# KiCad board FlightComputer.kicad_pcb (continued)
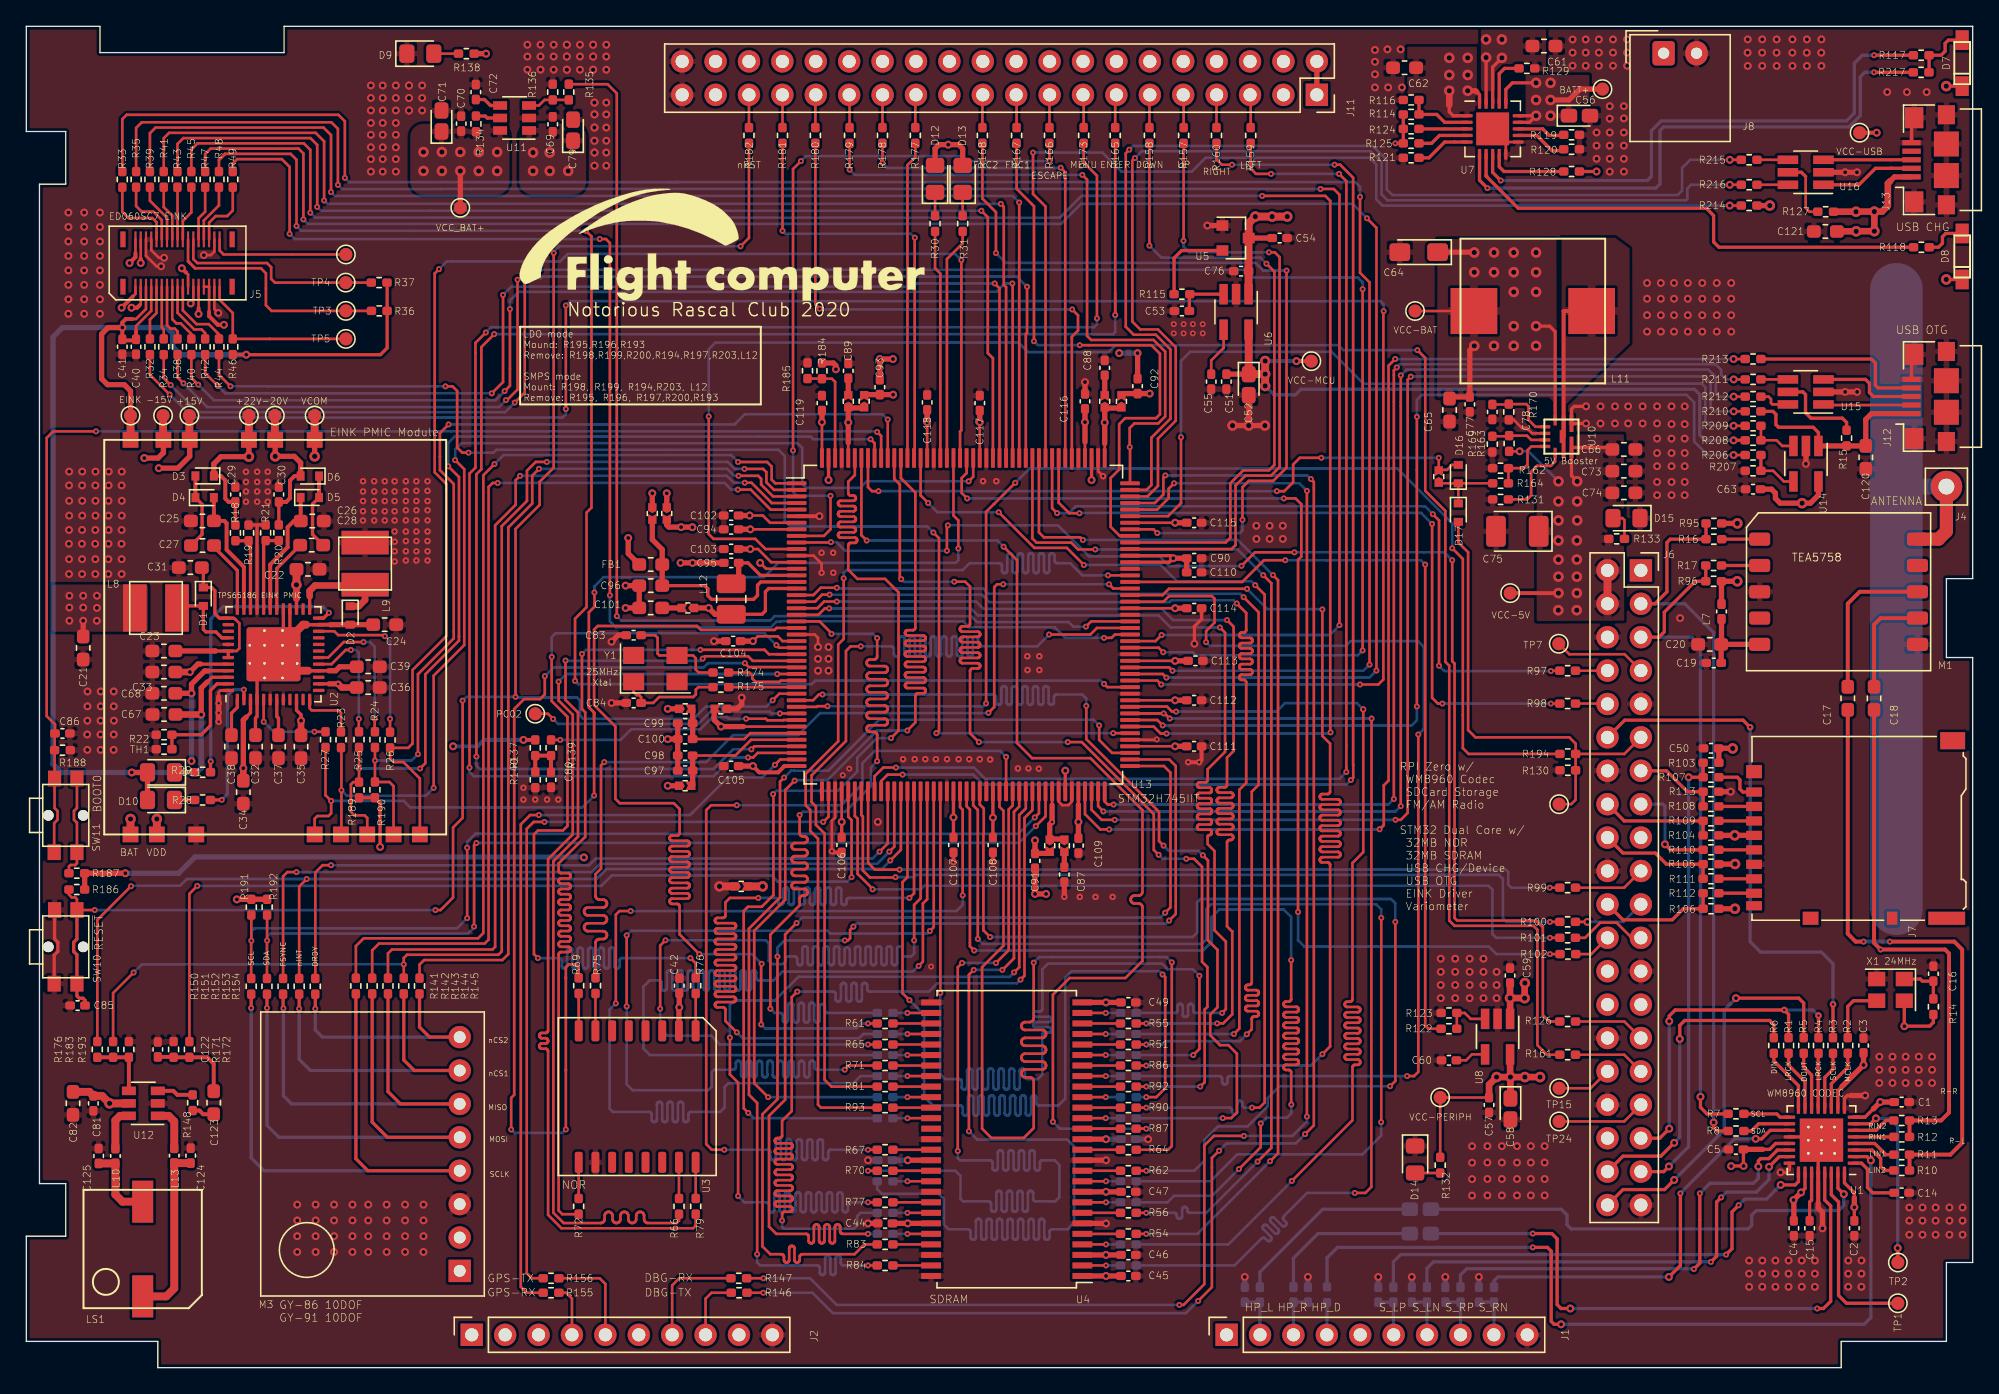
[diagram p0: board, top side]
## Routing (per net, layer and track width the routed paths; a pad name or vN(x,y) marks a point on that pad's centre or on a via; arc(x,y) is an arc through that point) (continued)
Net-(J5-Pad34): length 10.6
  Top w0.2: J5.34 14.7,84.95 15,84.65 TP6.1
Net-(J6-Pad7): length 7.1
  Top w0.2: TP7.1 117.33,54.25 121.53,54.25 J6.7
Net-(J6-Pad8): length 2.4
  Top w0.2: J6.8 120.22,53 R97.2
Net-(J6-Pad10): length 2.4
  Top w0.2: J6.10 120.2,50.5 R98.2
Net-(J6-Pad19): length 5.5
  Top w0.2: R99.1 121.5,36.5 J6.19
Net-(J6-Pad21): length 5.5
  Top w0.2: R100.1 v2(118.7,33.9)
  Bottom w0.2: J6.21 121.44,33.9 v2(118.7,33.9)
Net-(J6-Pad23): length 5.9
  Top w0.2: R101.1 118.53,32.69 119.68,33.84 120.92,33.84 122.07,32.69 J6.23
Net-(J6-Pad24): length 2.9
  Top w0.2: R102.2 118.99,31.45 J6.24 120.22,32.7
Net-(J6-Pad29): length 5.5
  Top w0.2: R126.1 121.52,26.33 J6.29
Net-(J6-Pad31): length 5.5
  Top w0.2: R161.1 121.5,23.8 J6.31
Net-(J6-Pad32): length 4.2
  Top w0.2: J6.32 118.95,21.25 TP15.1
Net-(J6-Pad33): length 6.7
  Top w0.2: TP24.1 121.5,18.72 J6.33
Net-(J7-Pad1): length 3.6
  Top w0.25: J7.1 130.53,43.77 130.3,44 130.3,44.7 130.1,44.9 R107.1
Net-(J7-Pad2): length 2.7
  Top w0.25: J7.2 131.37,42.68 R108.1 ; 128.61,42.67 128.59,42.7
Net-(J7-Pad3): length 2.7
  Top w0.25: R109.1 131.37,41.58 J7.3
Net-(J7-Pad5): length 2.7
  Top w0.25: R110.1 131.37,39.38 J7.5
Net-(J7-Pad7): length 2.7
  Top w0.25: R111.1 131.37,37.18 J7.7
Net-(J7-Pad8): length 2.7
  Top w0.25: R112.1 131.37,36.08 J7.8
Net-(J11-Pad25): length 2.5
  Top w0.2: J11.25 67.6,96.74 R177.2
Net-(J11-Pad27): length 2.5
  Top w0.2: J11.27 65.1,96.78 R178.2
Net-(J11-Pad29): length 2.5
  Top w0.2: J11.29 62.6,96.76 R179.2
Net-(J11-Pad31): length 2.5
  Top w0.2: J11.31 60,96.76 R180.2
Net-(J11-Pad33): length 2.5
  Top w0.2: J11.33 57.5,96.78 R181.2
Net-(J11-Pad35): length 2.5
  Top w0.2: R182.2 J11.35
Net-(J12-Pad2): length 6.7
  Top w0.2: J12.2 136.7,73.2 U15.1
Net-(J12-Pad3): length 7.6
  Top w0.25: U15.3 139.85,75.15 140.15,74.85 140.15,74.15 140.45,73.85 J12.3
Net-(J12-Pad4): length 13.4
  Top w0.25: J12.4 140.8,74.5 140.6,74.7 140.6,76.4 140.3,76.7 R213.2
Net-(J13-Pad2): length 7.4
  Top w0.25: 141.9,91.2 140.6,91.2 139.35,89.95 U16.1 ; 141.9,91.2 141.7,91.2 ; 141.9,91.2 J13.2
Net-(J13-Pad3): length 6.7
  Top w0.25: J13.3 U16.3
Net-(L3-Pad1): length 38.2
  Top w0.25: v2(133.4,13.9) 134.5,13.9 134.75,14.15 U1.25 ; v1(129.25,8.6) 129.7,9.05 129.7,11.85 v1(130.2,12.35)
  Bottom w0.25: v1(129.25,8.6) 104.5,8.6 103.95,8.05 L3.1 ; 133,13.5 v2(133.4,13.9) 132.32,12.83 130.68,12.83 v1(130.2,12.35) ; 103.92,6.17 103.95,6.14
Net-(L4-Pad1): length 35.5
  Top w0.25: v1(128.88,12.95) 128.53,12.6 128.53,8.47 v1(128.1,8.05) ; v2(132.51,15.28) 133.29,16.05 U1.23
  Bottom w0.25: L4.1 106.5,7.55 107,8.05 v1(128.1,8.05) ; v2(132.51,15.28) 132.51,14.31 131.55,13.35 129.28,13.35 v1(128.88,12.95)
Net-(L5-Pad1): length 33.8
  Top w0.25: 126.77,7.53 v1(126.8,7.5) 127.25,7.95 v1(127.25,13.25) ; U1.22 133.15,16.55 132.5,15.9 131.88,15.9 131.7,15.72 v2(131.7,15.3)
  Bottom w0.25: v2(131.7,15.3) 131.7,14.4 131.32,14.03 128.03,14.03 v1(127.25,13.25) ; L5.1 109.05,7.05 109.53,7.53 126.77,7.53 v1(126.8,7.5)
Net-(L6-Pad1): length 31.1
  Top w0.25: U1.19 132.6,18.05 131.95,17.4 v2(131.5,17.4) ; v2(124.9,6.9) 125.78,7.78 v1(125.78,13.25)
  Bottom w0.25: 125.99,13.49 125.88,13.38 ; 125.99,13.49 125.99,13.46 v1(125.78,13.25) ; 125.99,13.49 129.9,17.4 v2(131.5,17.4) ; v2(124.9,6.9) 111.9,6.9 111.6,6.6 L6.1
Net-(L10-Pad1): length 3.3
  Top w0.6: L10.1 6.78,18.81 7.12,19.15 U12.6
Net-(L13-Pad1): length 3.5
  Top w0.6: U12.1 10.83,19.15 11.25,18.73 L13.1
Net-(M1-Pad1): length 2.9
  Top w0.25: R16.1 M1.1
Net-(M1-Pad2): length 2.9
  Top w0.25: R17.1 M1.2
Net-(M3-Pad4): length 49.5
  Top w0.25: R141.1 25.06,15.89 25.97,14.98 M3.4 ; R150.1 v1(17.1,27.35)
  Bottom w0.25: v1(17.1,27.35) 17.1,15.95 18.07,14.98 M3.4
Net-(M3-Pad5): length 41.9
  Top w0.25: R142.1 26.3,18.67 27.45,17.52 M3.5 ; R151.1 v1(18.3,27.35)
  Bottom w0.25: M3.5 19.2,17.52 18.3,18.42 v1(18.3,27.35)
Net-(M3-Pad6): length 34.7
  Top w0.25: v1(19.55,27.33) 19.52,27.35 R152.1 ; M3.6 28.44,20.06 27.5,21 R143.1
  Bottom w0.25: v1(19.55,27.33) 19.55,20.67 20.16,20.06 M3.6
Net-(M3-Pad7): length 27.1
  Top w0.25: M3.7 29.5,22.6 28.7,23.4 R144.1 ; R153.1 v1(20.75,27.3)
  Bottom w0.25: v1(20.75,27.3) 20.75,23.45 21.6,22.6 M3.7
Net-(M3-Pad8): length 19.8
  Top w0.25: R154.1 v1(21.98,27.3) ; R145.1 29.9,25.9 30.66,25.14 M3.8
  Bottom w0.25: v1(21.98,27.3) 21.98,25.67 22.51,25.14 M3.8
Net-(R1-Pad1): length 4.7
  Top w0.25: U1.15 135.25,21.75 134,23 R1.1
Net-(R2-Pad1): length 4.7
  Top w0.25: R2.1 138.5,22.84 137.25,21.59 U1.11
Net-(R3-Pad1): length 4.4
  Top w0.25: R3.1 137.38,22.69 136.75,22.07 U1.12
Net-(R4-Pad1): length 4.2
  Top w0.25: 136.25,23.99 136.28,24.02 ; R4.1 136.25,23.88 U1.13
Net-(R5-Pad1): length 4.4
  Top w0.25: R5.1 135.15,22.85 135.75,22.25 U1.14
Net-(R6-Pad1): length 4.9
  Top w0.25: R6.1 132.88,23.33 134.75,21.45 U1.16
Net-(R7-Pad1): length 3.7
  Top w0.25: 130.49,19.3 133.1,19.3 133.35,19.05 U1.17
Net-(R8-Pad1): length 3.7
  Top w0.25: R8.1 131.17,18 131.72,18.55 U1.18
Net-(R9-Pad1): length 63.6
  Top w0.25: 115.95,8.29 115.95,8.86 115.66,9.15 v1(114.55,9.15) ; 115.95,8.29 115.95,8.85 ; 115.95,8.29 115.95,3.53 116.17,3.3 v2(116.7,3.3) ; v2(140.26,15.76) 139.97,16.05 U1.2
  Bottom w0.25: R9.1 98.9,8.35 99.7,9.15 v1(114.55,9.15) ; 98.84,6.14 98.85,6.14 ; v2(116.7,3.3) 139.75,3.3 140.26,3.81 v2(140.26,15.76)
Net-(R10-Pad1): length 4.1
  Top w0.25: U1.3 140.35,16.55 141,15.9 141,15.3 141.3,15 R10.1
Net-(R11-Pad1): length 3.4
  Top w0.25: R11.1 141.4,16.2 140.55,17.05 U1.4
Net-(R12-Pad1): length 3.1
  Top w0.25: 142.06,17.55 142.12,17.5 ; U1.5 R12.1
Net-(R13-Pad1): length 3.4
  Top w0.25: U1.6 140.65,18.05 141.4,18.8 R13.1
Net-(R15-Pad2): length 6.8
  Top w0.25: R15.2 138.41,71.88 138.09,72.2 135.7,72.2 135.29,72.61 135.29,74 135.09,74.2 U15.5
Net-(R18-Pad2): length 6.3
  Top w0.25: R18.2 R19.2 17.05,62.74 U2.34 ; 15.93,62.88 15.92,62.87
Net-(R20-Pad1): length 6.3
  Top w0.25: R20.1 R21.1 18.05,62.74 U2.32
Net-(R22-Pad2): length 8.6
  Top w0.25: TH1.1 R22.2 13.3,48.13 14,48.83 14,51.5 14.5,52 U2.47
Net-(R23-Pad2): length 5.1
  Top w0.2: R23.2 23.93,49.79 23.74,49.98 21.71,49.98 21.55,50.14 U2.12
  Top w0.25: U2.12 21.55,50.35
Net-(R24-Pad2): length 11.4
  Top w0.2: v1(25.64,55.18) 24.14,55.18 22.96,54 U2.18 ; v1(26.49,49.35) 26.49,48.38 R24.2
  Bottom w0.2: v1(25.64,55.18) 26.14,55.18 26.49,54.83 v1(26.49,49.35)
Net-(R25-Pad2): length 9.6
  Top w0.2: v1(24.68,54.58) 24.29,54.58 23.21,53.5 U2.17 ; R25.2 25.28,48.38 v1(25.28,49.33)
  Bottom w0.2: v1(25.28,49.33) 25.28,54.36 25.06,54.58 v1(24.68,54.58)
Net-(R26-Pad2): length 12.6
  Top w0.2: U2.22 23.42,56 23.71,55.71 27.18,55.71 v1(27.27,55.62) ; R26.2 v1(27.66,49.34)
  Bottom w0.2: v1(27.27,55.62) 27.66,55.23 v1(27.66,49.34)
Net-(R27-Pad2): length 6.7
  Top w0.2: v1(18.05,49.12) 18.05,49.12 U2.5 ; v1(21.91,48.36) 22.75,48.36 R27.2
  Bottom w0.2: v1(18.05,49.12) 18.81,48.36 v1(21.91,48.36)
Net-(R28-Pad1): length 11.7
  Top w0.25: v1(14.86,43.18) 14.85,43.17 R28.1 ; v1(16.54,51.56) 16.55,51.55 U2.2
  Bottom w0.25: 15.29,45.27 15.29,44.69 ; 15.29,45.27 15.29,51.08 15.77,51.56 v1(16.54,51.56) ; 15.29,45.27 15.29,43.61 v1(14.86,43.18)
Net-(R29-Pad1): length 22.2
  Top w0.25: v1(14.02,46.1) 14.01,46.09 R29.1 ; v1(23.01,57.41) 22.6,57 U2.24
  Bottom w0.25: v1(23.01,57.41) 22.55,57.87 14.97,57.87 14.02,56.92 v1(14.02,46.1)
Net-(R50-Pad2): length 2.9
  Top w0.2: U4.2 v1(82.1,7.78)
  Bottom w0.2: R50.2 v1(82.1,7.78)
Net-(R51-Pad1): length 2.9
  Top w0.2: R51.1 U4.23
Net-(R52-Pad2): length 2.9
  Top w0.2: U4.4 v1(82.1,9.38)
  Bottom w0.2: R52.2 v1(82.1,9.38)
Net-(R53-Pad1): length 2.9
  Top w0.2: U4.24 v1(82.08,25.38)
  Bottom w0.2: R53.1 v1(82.08,25.38)
Net-(R54-Pad2): length 2.9
  Top w0.2: R54.2 U4.5
Net-(R55-Pad1): length 2.9
  Top w0.2: R55.1 U4.25
Net-(R56-Pad2): length 2.9
  Top w0.2: R56.2 U4.7
Net-(R57-Pad1): length 3
  Top w0.2: v1(82.08,26.97) 82.1,26.97 U4.26
  Bottom w0.2: R57.1 v1(82.08,26.97)
Net-(R58-Pad2): length 2.9
  Top w0.2: U4.8 v1(82.1,12.58)
  Bottom w0.2: R58.2 v1(82.1,12.58)
Net-(R59-Pad1): length 2.9
  Top w0.2: U4.29 v1(67,26.97)
  Bottom w0.2: R59.1 v1(67,26.97)
Net-(R60-Pad2): length 2.9
  Top w0.2: U4.10 v1(82.1,14.17)
  Bottom w0.2: R60.2 v1(82.1,14.17)
Net-(R61-Pad1): length 2.9
  Top w0.2: R61.1 U4.30
Net-(R62-Pad2): length 2.9
  Top w0.2: R62.2 U4.11
Net-(R63-Pad1): length 2.9
  Top w0.2: U4.31 v1(67,25.38)
  Bottom w0.2: R63.1 v1(67,25.38)
Net-(R64-Pad2): length 2.9
  Top w0.2: R64.2 U4.13
Net-(R65-Pad1): length 2.9
  Top w0.2: R65.1 U4.32
Net-(R66-Pad1): length 2.8
  Top w0.2: 49.63,15.61 U3.15 49.62,12.87 R66.1
Net-(R67-Pad2): length 2.9
  Top w0.2: R67.2 U4.42
Net-(R68-Pad1): length 2.9
  Top w0.2: U4.33 v1(67,23.78)
  Bottom w0.2: R68.1 v1(67,23.78)
Net-(R69-Pad1): length 2.8
  Top w0.2: 42.01,25.62 U3.8 42,25.62 R69.1
Net-(R70-Pad2): length 2.9
  Top w0.2: R70.2 U4.44
Net-(R71-Pad1): length 2.9
  Top w0.2: R71.1 U4.34
Net-(R72-Pad1): length 2.7
  Top w0.2: U3.9 42,15.61 R72.1
Net-(R73-Pad2): length 2.9
  Top w0.2: U4.45 v1(67,14.17)
  Bottom w0.2: R73.2 v1(67,14.17)
Net-(R74-Pad1): length 2.9
  Top w0.2: U4.22 v1(82.08,23.78)
  Bottom w0.2: R74.1 v1(82.08,23.78)
Net-(R75-Pad2): length 2.9
  Top w0.2: R75.2 43.27,28.45 U3.7 43.28,25.62
Net-(R76-Pad1): length 2.8
  Top w0.2: R76.1 50.9,25.62 U3.1
Net-(R77-Pad2): length 2.9
  Top w0.2: R77.2 U4.47
Net-(R78-Pad1): length 2.9
  Top w0.2: U4.35 v1(67,22.17)
  Bottom w0.2: R78.1 v1(67,22.17)
Net-(R79-Pad2): length 2.8
  Top w0.2: R79.2 50.9,15.61 U3.16 ; 50.9,12.64 50.9,12.64
Net-(R80-Pad2): length 2.9
  Top w0.2: U4.48 v1(67,11.78)
  Bottom w0.2: R80.2 v1(67,11.78)
Net-(R81-Pad1): length 2.9
  Top w0.2: U4.36 R81.1
Net-(R82-Pad2): length 2.9
  Top w0.2: U4.50 v1(67,10.17)
  Bottom w0.2: R82.2 v1(67,10.17)
Net-(R83-Pad2): length 2.9
  Top w0.2: R83.2 U4.51
Net-(R84-Pad2): length 2.9
  Top w0.2: R84.2 U4.53
Net-(R85-Pad1): length 2.9
  Top w0.2: U4.20 v1(82.08,22.17)
  Bottom w0.2: R85.1 v1(82.08,22.17)
Net-(R86-Pad1): length 2.9
  Top w0.2: R86.1 U4.21
Net-(R87-Pad1): length 2.9
  Top w0.2: R87.1 U4.15
Net-(R88-Pad1): length 2.9
  Top w0.2: U4.39 v1(67,18.97)
  Bottom w0.2: R88.1 v1(67,18.97)
Net-(R89-Pad1): length 2.9
  Top w0.2: U4.16 v1(82.08,18.97)
  Bottom w0.2: R89.1 v1(82.08,18.97)
Net-(R90-Pad1): length 2.9
  Top w0.2: R90.1 U4.17
Net-(R91-Pad1): length 2.9
  Top w0.2: U4.18 v1(82.08,20.58)
  Bottom w0.2: R91.1 v1(82.08,20.58)
Net-(R92-Pad1): length 2.9
  Top w0.2: R92.1 U4.19
Net-(R93-Pad1): length 2.9
  Top w0.2: U4.38 R93.1
Net-(R94-Pad1): length 2.9
  Top w0.2: U4.37 v1(67,20.58)
  Bottom w0.2: R94.1 v1(67,20.58)
Net-(R114-Pad2): length 5
  Top w0.25: U7.2 107.85,94.7 107.25,95.3 R114.2 R116.1
Net-(R115-Pad2): length 6.7
  Top w0.25: R115.2 87.27,84.36 87.27,84.36 87.85,84.95 U5.2
Net-(R117-Pad2): length 41.8
  Top w0.25: v1(140.5,99.8) R117.2 ; v1(112.11,90.27) 111.5,90.89 U7.8
  Bottom w0.25: v1(112.11,90.27) 123.26,90.27 123.57,90.58 123.57,94.05 124.31,94.8 138.4,94.8 139,95.4 139,99.2 139.6,99.8 v1(140.5,99.8)
Net-(R118-Pad2): length 37.6
  Top w0.25: 111,90.67 111,90.61 113.45,88.16 127.75,88.16 128.3,87.61 128.3,85.6 128.7,85.2 R118.2 ; 111,90.67 111.05,90.62 ; 111,90.67 U7.7
Net-(R119-Pad2): length 3.7
  Top w0.25: 116.9,93.7 115.8,93.7 115.3,94.2 U7.13
Net-(R120-Pad2): length 3.9
  Top w0.25: 116.9,92.55 116,92.55 114.85,93.7 U7.12
Net-(R121-Pad2): length 4.2
  Top w0.25: U7.5 107.85,93.2 106.65,92 R121.2
Net-(R122-Pad1): length 3.5
  Top w0.2: R122.1 R123.2 109.38,26.97 109.83,26.53 U8.3
Net-(R124-Pad1): length 3.7
  Top w0.25: U7.3 R124.1
Net-(R125-Pad1): length 3.9
  Top w0.25: R125.1 106.85,93.1 107.45,93.7 U7.4
Net-(R127-Pad2): length 4.9
  Top w0.2: 135.3,90.58 135.3,88.19 135.59,87.9 R127.2
  Top w0.25: U16.5 134.98,90.9 135.3,90.58
Net-(R128-Pad1): length 6
  Top w0.25: R128.1 112.36,90.96 112,91.32 U7.9
Net-(R129-Pad1): length 3.9
  Top w0.25: R129.1 112.4,98.8 112,98.4 U7.17
Net-(R131-Pad2): length 6.4
  Top w0.2: R131.2 114.12,66.03 114.42,66.33 114.42,68.12 114.88,68.58 115.92,68.58 116.25,68.9 U10.8
Net-(R134-Pad1): length 1.9
  Top w0.25: U11.5 35.05,95.03 34.9,95.18 R134.1
Net-(R135-Pad2): length 3.2
  Top w0.2: R135.2 R136.2 39.4,96.4 38.98,95.98 U11.3
Net-(R148-Pad2): length 2.8
  Top w0.3: R148.2 11.48,20.75 11.18,21.05 U12.3
Net-(R162-Pad1): length 5.2
  Top w0.2: R164.2 R162.1 113.88,68.4 114.15,68.67 114.15,69.76 114.44,70.05 U10.7
Net-(R163-Pad2): length 4.2
  Top w0.2: R169.2 112.7,70.82 R163.2 114.11,70.87 114.43,70.55 U10.6
Net-(R174-Pad2): length 5.6
  Top w0.2: U13.31 57.38,52.25 57.28,52.15 55.46,52.15 55.2,52.41 55.2,52.64 54.98,52.86 R174.2
Net-(R175-Pad2): length 5.2
  Top w0.2: U13.32 R175.2
Net-(R176-Pad1): length 5
  Top w0.3: U12.4 R193.1 R183.1 R176.1
Net-(R184-Pad2): length 8
  Top w0.2: R185.2 60.49,75.21 R184.2 61.26,75.2 61.5,74.96 U13.174
Net-(R187-Pad1): length 7.8
  Top w0.2: R187.1 3.24,38.11 3.35,38.23 3.71,38.23 3.85,38.36 SW11.1 3.85,41.44 3.62,41.66 3.62,42.34 3.85,42.56 SW11.1
Net-(R206-Pad2): length 4
  Top w0.2: U14.4 133.64,67.39 132.83,68.2 R207.1
  Top w0.25: R206.2 R207.1
Net-(R208-Pad1): length 3.8
  Top w0.2: U14.3 133.52,70.09 133.09,70.52 R208.1 R209.2
Net-(R211-Pad2): length 2.1
  Top w0.2: U15.4 R211.2
Net-(R212-Pad2): length 2.5
  Top w0.2: U15.6 132.77,73.25 132.66,73.36 132.66,73.66 132.48,73.84 R212.2
Net-(R215-Pad2): length 2.4
  Top w0.2: R215.2 U16.4
Net-(R216-Pad2): length 2.4
  Top w0.2: R216.2 U16.6
Net-(R217-Pad2): length 42.9
  Top w0.25: v1(111.1,89.7) 110.5,90.3 U7.6 ; v1(140.5,98.5) R217.2
  Bottom w0.25: v1(111.1,89.7) 123.9,89.7 124.22,90.02 124.22,94.07 124.5,94.35 138.59,94.35 139.45,95.21 139.45,98.15 139.8,98.5 v1(140.5,98.5)
Net-(TP1-Pad1): length 14.3
  Top w0.25: TP1.1 138.4,4.9 137.8,5.5 137.8,12.6 137.25,13.15 U1.30
Net-(TP2-Pad1): length 14.2
  Top w0.25: U1.7 140.23,18.55 v2(140.64,18.96) ; v2(142.3,9.1) 142.31,9.09 TP2.1
  Bottom w0.25: v2(142.3,9.1) 142.3,18.35 141.69,18.96 v2(140.64,18.96) 140.68,19
Net-(TP13-Pad1): length 20.6
  Top w0.2: v1(40.06,49.33) 39.66,49.73 TP13.1 ; U13.36 v1(57.3,49.75)
  Bottom w0.2: v1(57.3,49.75) 56.67,49.75 56.54,49.88 52.01,49.88 51.08,48.95 40.44,48.95 v1(40.06,49.33)

## Copper pours and planes (outline as drawn; the poured copper is in the pictures)
+15V on In2.Cu: 9.62,83.03 10.53,83 10.53,63 10.53,54.89 10.53,53.72 12.9,53.72 12.9,52.07 9.64,52.07 9.64,53.72 9.62,62.92 9.62,82.1 7.05,82.1 7.05,84.67 9.62,84.67
+22V on In2.Cu: 13.65,76.4 17.55,76.4 17.55,68.7 16.3,68.7 16.3,75.3 12.65,75.3 12.65,80.6 13.65,80.6
-15V on In2.Cu: 9.53,63.08 9.53,51.06 9.56,47.8 16.38,47.78 17.16,47.79 17.16,43.82 15.09,43.84 15.09,46.79 8.53,46.81 8.51,49.65 8.5,63.5 8.52,79.55 6.6,79.55 6.6,81.17 9.53,81.17
-20V on In2.Cu: 19.5,79.7 19.5,68.7 18.3,68.7 18.3,78.8 14.3,78.8 14.3,79.72
/MCU/MCU_POWER/VDDLDO on In2.Cu: 90.75,66.25 81.3,66.25 81.3,44.27 77.6,44.27 77.6,66.3 59.7,66.3 59.7,68.8 88.9,68.8 88.9,76.5 49.5,76.5 49.5,65.6 46.75,65.6 46.75,78.25 90.75,78.25
/MCU/MCU_POWER/VSSA on In1.Cu: 53.6,43.2 46.5,43.2 46.5,51.3 52.6,51.3 52.6,49.8 53.6,49.8
GND on Top: 152.4,-12.3 -12.7,-12.3 -12.7,114.7 152.4,114.7
GND on In1.Cu: 165.1,-7.22 -25.4,-7.22 -25.4,116.73 165.1,116.73
GNDS on In1.Cu: 86.1,76 57.3,76 57.3,37.2 78.2,37.2 78.2,34.8 54.9,34.8 54.9,55.5 53.9,56.5 43,56.5 43,62.25 54.7,62.25 54.7,78.3 86.1,78.3
VCC_3V3 on In2.Cu: 156,-5 86.7,-5 86.75,8.75 136.5,8.8 136.5,21.3 124.1,21.3 121.5,23.9 121.5,62.4 124.3,64.8 156.1,64.8
VCC_5V on Top: 117.17,68.97 117.17,70.97 121.47,70.97 121.47,70.1 121.49,62.38 121.5,56.8 114.85,56.77 114.85,68.97
VCC_5V on In2.Cu: 159.96,-1.39 116.3,-1.47 116.3,54.52 107.23,54.53 107.2,70.75 159.55,70.75
VCC_BAT on Top: 116.35,85.85 116.37,73.61 116.38,71.65 116.12,71.65 116.12,72.28 116.12,73.42 115.8,73.78 107.28,73.78 107.3,85.83
VCC_BAT on Top: 110.3,95 105,95 105,100.45 110.3,100.45
VCC_BAT on Top: 42.57,89.19 37.48,89.19 37.48,94.61 42.57,94.61
VCC_BAT on In2.Cu: 36.8,104.7 162.5,104.8 162.5,71.2 162.4,25.3 97.5,25.3 97.4,80.2 91.1,80.2 91.1,93.9 99.9,93.9 99.9,99.4 47.1,99.4 47.1,85.7 36.8,85.7
VCC_BAT+ on Top: 9.25,55.96 1.96,55.96 1.95,59.55 9.25,59.55
VCC_BAT+ on Top: 36.74,89.19 29.19,89.19 29.19,94.58 36.74,94.58
VCC_BAT+ on In2.Cu: 36.75,-5.9 -2.6,-5.9 -2.75,106.25 36.8,106.3
VCC_MCU on In2.Cu: 167,-19 -17,-19 -17,122 167,122
VCC_PERIH on In2.Cu: 14.9,41.6 37.7,41.6 42.5,35.45 118.5,35.6 118.5,-3.4 31.25,-3.5 31.25,2.92 34.6,5.6 34.6,34.9 9.1,34.9 9.1,46.5 14.9,46.5
VCC_USB on Top: 115.55,98.2 111.9,98.2 111.9,97.08 110.6,97.06 110.6,102.89 115.55,102.9
VCC_USB on In2.Cu: 153.2,80.7 131.41,80.66 131.43,86.52 110.5,86.5 110.5,92.5 103.6,92.5 103.6,93.7 110.5,93.7 110.5,106.95 153.2,106.9
+BATT on Top: 118.85,96.2 118.1,96.2 118.1,94.4 114,94.4 114,98.3 118.85,98.3
+BATT on In2.Cu: 130.5,94.3 114,94.4 114,110.2 130.5,110.1
/MCU/MCU_POWER/SMPS_OUT on In2.Cu: 87.5,72.5 54.25,72.5 54.25,41 78.1,41 78.1,39.6 51.25,39.6 51.25,62.8 46.75,62.8 46.75,65 51.25,65 51.25,75.25 87.5,75.25
/MCU/MCU_POWER/VCAP on In1.Cu: 85.5,39 75.5,39 75.5,42.5 82.5,42.5 82.5,70.5 60,70.5 60,74 85.5,74
/Power/SW on Top: 121.91,85.11 121.93,77.91 117.04,73.24 117.04,71.28 116.75,71.28 116.74,85.92 120.81,85.92

## Text on the board
B.SilkS: SDIO CLK | SDIO DAT2 | GND | 3V3 | I2C SDA | I2C SCL | SDIO DAT3 | EINK MOSI | EINK MISO | EINK SCLK | I2S LRCK | 5V | UART TX | UART RX | I2S_SCLK | SDIO CMD | SDIO DAT0 | SDIO DAT1 | EINK nCS | I2S DIN | I2S DOUT | nRST | F2 | F1 | ESC | MENU | ENTER | DOWN | UP | RIGHT | LEFT | EINK-DISPLAY | EINK-OUTLINE | G-RX | G-TX | D-RX | D-TX | HP_L | HP_R | HP_D | S_LP | S_LN | S_RP | S_RN
F.SilkS: TPS65186 EINK PMIC | MISO | nCS2 | nCS1 | MOSI | SCLK | SCL | SDA | RIN2 | RIN1 | LIN2 | LIN1 | R-R | R-L | FSYNC | nINT | DRDY | DIN | LRCK | DOUT | MCLK | LDO mode / Mound: R195,R196,R193 / Remove: R198,R199,R200,R194,R197,R203,L12 / SMPS mode / Mount: R198, R199, R194,R203, L12 / Remove: R195, R196, R197,R200,R193 | EINK | ED060SC7 EINK | -15V | +15V | +22V | -20V | VCOM | VCC_BAT+ | PC02 | 25MHz / Xtal | nRST | FNC2 | FNC1 | ESCAPE | MENU | ENTER | DOWN | UP | RIGHT | LEFT | VCC-MCU | VCC-BAT | VCC-PERIPH | VCC-5V | 5V Booster | BATT+ | WM8960 CODEC | VCC-USB | 24MHz | BAT | VDD | RPI Zero w/ / WM8960 Codec / SDCard Storage / FM/AM Radio / STM32 Dual Core w/ / 32MB NOR / 32MB SDRAM / USB CHG/Device / USB OTG / EINK Driver / Variometer | GY-86 10DOF | GY-91 10DOF | EINK PMIC Module | GPS-TX | GPS-RX | NOR | DBG-TX | DBG-RX | SDRAM | STM32H745IIT | HP_L | HP_R | HP_D | S_LP | S_LN | S_RP | S_RN | ANTENNA | USB OTG | USB CHG | BOOT0 | ~{RESET} | Notorious Rascal Club 2020
